# Altium PCB PCB1.PcbDoc (continued)
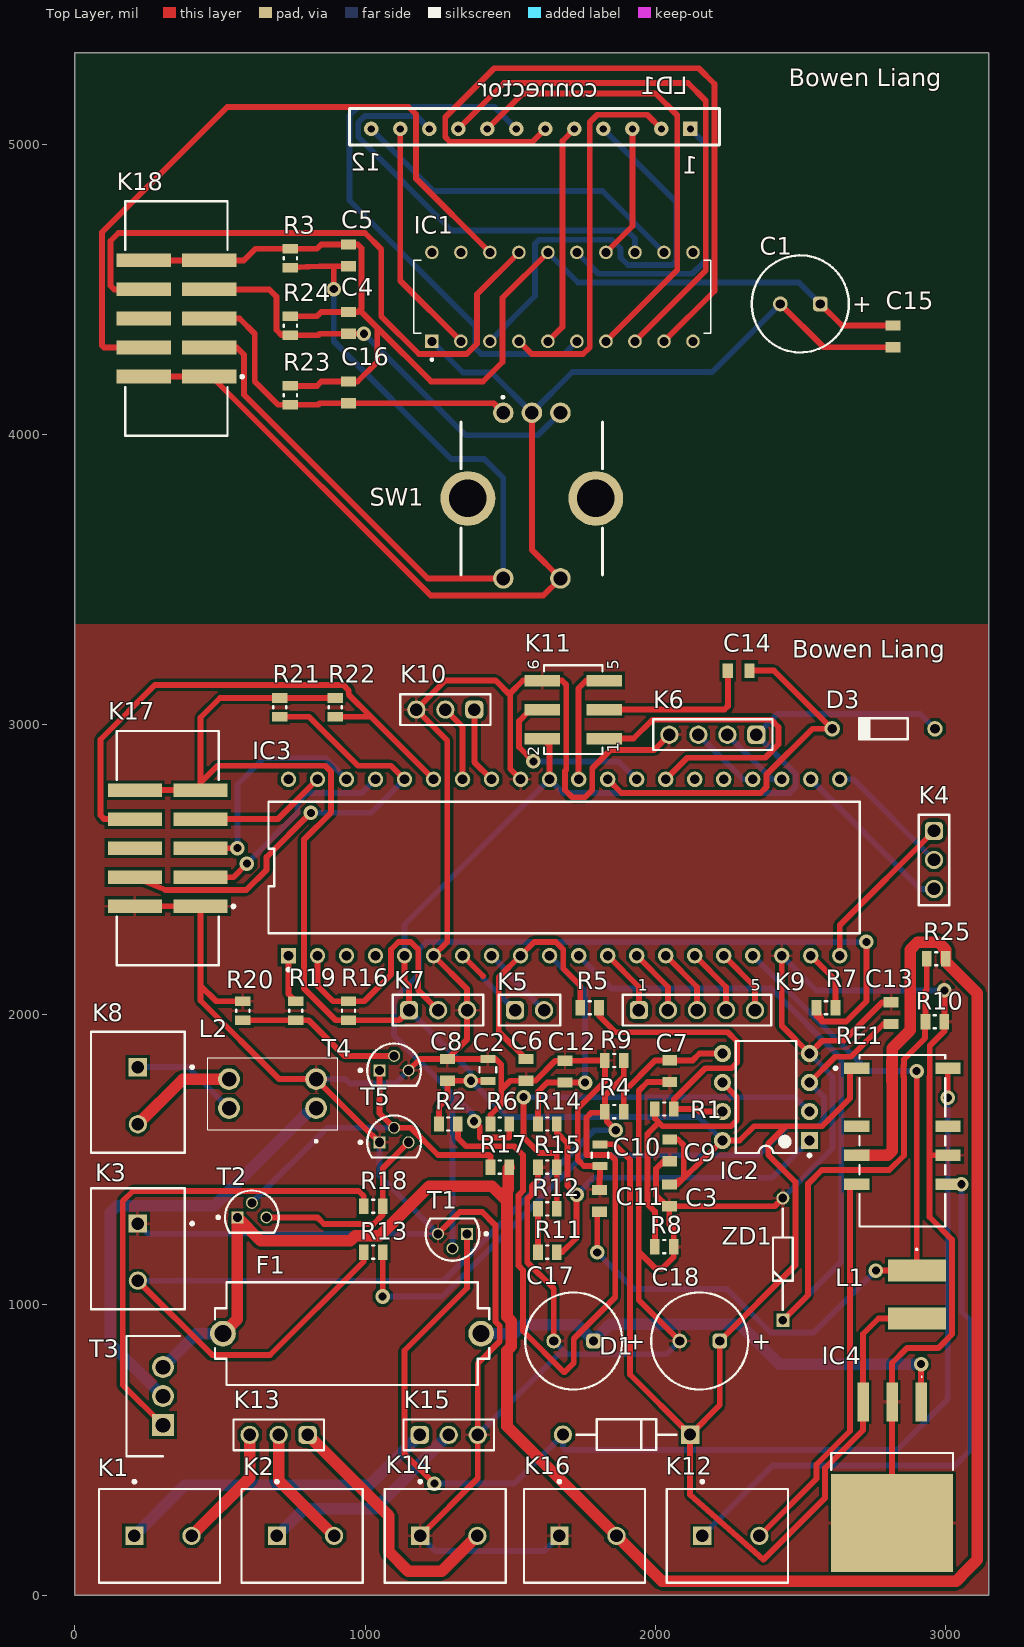
[diagram p0: Top Layer view]
## Part data (continued)
K1 K2 K3 K8 K12 K14 K16: library part Schroefconnector, "Female Header, Pitch 5 mm, 1 x 2 Position, Height 10 mm, Tail Length 3.5 mm, Rohs, Bulk", Color=Green, Current=13.5A, Manufacturer="TE Connectivity", Package Description="Female Header, Pitch 5 mm, 1 x 2 Position, Height 10 mm, Tail Length 3.5 mm", Package Reference=THD, Standard Package=300, Voltage=300V, 3D Model=282836-2.pdf, Category=Connectors,Interconnects, Clamp Material - Plating=Brass-NickelPlated, Contact Material - Plating=Brass-TinPlated, Datasheet URL=http://www.te.com.cn/commerce/DocumentDelivery/DDEController?Action=showdoc&DocId=Catalog+Section%7F1308389_EUROSTYLE_TERMINAL_BLOCKS%7F0607%7Fpdf%7FEnglish%7FENG_CS_1308389_EUROSTYLE_TERMINAL_BLOCKS_0607.pdf%7F282836-2, Dynamic Catalog=BuchananSeries, Family=TerminalBlocks-WiretoBoard, Featured Product=EurostyleTerminalBlockConnectors, Features=Interlocking(Side), Housing Material=Polyamide(PA66),Nylon6/6, Manufacturer URL=http://www.te.com, Mating Orientation=HorizontalwithBoard, Mounting Type=ThroughHole, Number of Levels=1, Other Names="5ULV-02B / A98076", Packaging=Bulk, Pitch="0.197\"(5.00mm)", Positions Per Level=2, Product Training Modules=Wire-to-BoardEurostyleTerminalBlocks, RoHS Information=282836-2StatementofCompliance, Screw Material - Plating=Brass-NickelPlated, Screw Thread=M3, Series=Buchanan, Torque - Screw=0.68Nm(6Lb-In), Wire Gauge=16-30AWG, Wire Termination=Screw-RisingCageClamp
K4 K7 K10 K13 K15: library part [3][1]Pinheader, Color=Black, Contact Resistance=20mΩ, Current Rating=3A, Max Operating Temperature=105°C, Min Operating Temperature=-40°C, Operating Supply Voltage=250V, Connector Type="Male Pin", Contact Material=Copper, Contact Mating Length=5.9944mm, Contact Plating=Gold, Gender=Male, Height=8.94mm, Lead Free="Lead Free", Lead Pitch=2.54mm, Mount="Through Hole", NexarPartId=32855521, Number Of Contacts=3, Number of Pins=3, Number of Positions=3, Number of Rows=1, Orientation=Vertical, Packaging=Bulk, Pitch=2.54mm, REACH SVHC=Unknown, RoHS=Compliant, Termination=Solder, Voltage Rating=250V
K5: library part [2][1]Pinheader, Color=Black, Contact Resistance=20mΩ, Current Rating=3A, Max Operating Temperature=125°C, Min Operating Temperature=-40°C, Operating Supply Voltage=250V, Connector Type="Male Pin", Contact Gender=Male, Contact Material=Copper, Contact Mating Length=5.9944mm, Contact Plating=Gold, Gender=Male, Height=8.94mm, Housing Material=PBT, Lead Free="Lead Free", Lead Pitch=2.54mm, Mount="Through Hole", NexarPartId=20081794, Number Of Contacts=2, Number of Pins=2, Number of Positions=2, Number of Rows=1, Orientation=Vertical, Packaging=Bulk, Pitch=2.54mm, REACH SVHC="No SVHC", RoHS=Compliant, Termination="Through Hole", Voltage Rating=250V
K6: library part [4][1]Pinheader, Color=Black, Contact Resistance=20mΩ, Current Rating=3A, Max Operating Temperature=105°C, Min Operating Temperature=-40°C, Operating Supply Voltage=250V, Connector Type="Male Pin", Contact Material=Copper, Contact Mating Length=5.9944mm, Contact Plating=Gold, Gender=Male, Height=8.89mm, Lead Free="Lead Free", Lead Pitch=2.54mm, Mount="Through Hole", NexarPartId=32855522, Number Of Contacts=4, Number of Pins=4, Number of Positions=4, Number of Rows=1, Orientation=Vertical, Packaging=Bulk, Pitch=2.54mm, REACH SVHC=Unknown, RoHS=Compliant, Termination=Solder, Voltage Rating=250V
K9: library part [5][1]Pinheader, Color=Black, Contact Resistance=20mΩ, Current Rating=3A, Max Operating Temperature=105°C, Min Operating Temperature=-40°C, Operating Supply Voltage=250V, Connector Type="Male Pin", Contact Material=Copper, Contact Mating Length=5.9944mm, Contact Plating=Gold, Gender=Male, Height=8.89mm, Lead Free="Lead Free", Lead Pitch=2.54mm, Mount="Through Hole", NexarPartId=32855526, Number Of Contacts=5, Number of Pins=5, Number of Positions=5, Number of Rows=1, Orientation=Vertical, Packaging=Bulk, Pitch=2.54mm, REACH SVHC=Unknown, RoHS=Compliant, Termination=Solder, Voltage Rating=250V
K11: library part [6][2]Pinheader, Color=Black, Contact Resistance=20mΩ, Current Rating=3A, Operating Supply Voltage=250V, Connector Type="Male Pin", Contact Material=Copper, Contact Mating Length=5.9944mm, Contact Plating=Gold, Gender=Male, Lead Pitch=2.54mm, Mount="Surface Mount", NexarPartId=32855428, Number Of Contacts=6, Number of Pins=6, Number of Positions=6, Number of Rows=2, Orientation=Vertical, Pitch=2.54mm, REACH SVHC=Unknown, RoHS=Compliant, Row Spacing=2.54mm, Termination=Solder
K17 K18: library part [10][2]Pinheader, Color=Black, Contact Resistance=20mΩ, Current Rating=3A, Insulation Resistance=1GΩ, Max Operating Temperature=125°C, Min Operating Temperature=-40°C, Operating Supply Voltage=250V, Connector Type="Male Pin", Contact Material=Copper, Contact Mating Length=5.0038mm, Contact Plating=Gold, Gender=Male, Lead Pitch=2.54mm, Length=18.02mm, Mount="Surface Mount", NexarPartId=32855511, Number Of Contacts=10, Number of Pins=10, Number of Positions=10, Number of Rows=2, Orientation=Vertical, Packaging="Tape and Reel", Pitch=2.54mm, REACH SVHC=Unknown, RoHS=Compliant, Row Spacing=2.54mm, Termination=Solder
L1: library part Smoorspoel, "Inductor VLS6045EX-100M-H", Manufacturer_Name=TDK, Manufacturer_Part_Number=VLS6045EX-100M-H, Mouser2 Part Number=810-VLS6045EX-100M-H, Datasheet Link=https://componentsearchengine.com//VLS6045EX-100M-H.pdf, Mouser2 Price/Stock=https://www.mouser.com/Search/Refine.aspx?Keyword=810-VLS6045EX-100M-H
L2: library part "Smoorspoel commom mode", "Transformer CM2545X171B-10", Manufacturer_Name="Laird Technologies", Manufacturer_Part_Number=CM2545X171B-10, Datasheet Link=https://datasheet.datasheetarchive.com/originals/dk/DKDS-7/122753.pdf, Height=9.5mm
LD1: library part 7segment
R1 R2 R3 R4 R5 R6 R7 R8 R9 R10 R11 R12 R13 R14 R15 R16 R17 R18 R19 R20 R21 R22 R23 R24 R25: library part Resistor, Manufacturer="Vishay Dale", Part Number=CRCW08050000Z0EA
RE1: library part VermogenRelais, "RELAY TELECOM DPDT 2A 5VDC", Ambient Temperature Range High=+85°C, Ambient Temperature Range Low=-40°C, Coil Current=28.1mA, Coil Power=140mW, Coil Resistance=178Ω, Coil Voltage=5V, Current Rating=2A, Manufacturer=Omron, Temperature="-40°C to +85°C", Automotive=No, Category=Relay, Coil Type=Non-Latching, ComponentLink2Description=Datasheet, ComponentLink2URL=https://omronfs.omron.com/en_US/ecb/products/pdf/en-g6s.pdf, Device Class L1=Electromechanical, Device Class L2=Relays, Device Class L3="Signal Relays", Digikey Description="RELAY TELECOM DPDT 2A 5VDC", Height=9.4mm, Lead Free=Yes, Manufacturer Part Number=G6S-2F-DC5, Mouser Description="Electromechanical Relay 5VDC 178Ohm 2A DPDT (14.8x9.2x9.2)mm SMD Signal Relay", Number Of Contacts=2, Octopart=https://octopart.com/g6s-2f-dc5-omron-85236, Package=G6S-2F-DC5, RoHS=TRUE, Standoff Height=0.35mm, Switching Current=2A, Temperature Range High=+85°C, Temperature Range Low=-40°C, Throw Configuration=DPDT
SW1: library part Encoder, "Undefined or Miscellaneous", Manufacturer_Name=Bourns, Manufacturer_Part_Number=PEC11R-4225F-S0024, Mouser2 Part Number=652-PEC11R-4225F-S24, Datasheet Link=https://componentsearchengine.com//PEC11R-4225F-S0024.pdf, Mouser2 Price/Stock=https://www.mouser.com/Search/Refine.aspx?Keyword=652-PEC11R-4225F-S24
T1 T2 T4: "Amplifier Transistor, NPN Silicon, 3-Pin TO-92, Bulk Box", Manufacturer="On Semiconductor", ComponentLink1Description="Manufacturer URL", ComponentLink1URL=http://www.onsemi.com/, ComponentLink2Description=Datasheet, ComponentLink2URL=http://www.onsemi.com/pub_link/Collateral/BC546-D.PDF, ComponentLink3Description="Package Specification", ComponentLink3URL=http://www.onsemi.cn/pub_link/Collateral/2N6426-D.PDF, DatasheetVersion="Rev. 7", fT Min (MHz)=150, IC Continuous (A)=0.1, Mounting Technology="Through Hole", PackageDescription="3-Pin Transistor Outline, Body 4.825 x 3.685 mm, Pitch 1.27 mm", PackageReference=TO-92-3-29-11_AM_SL, PackageVersion="Rev. AM", Packing="Bulk Box", PartNumber=BC547C, Polarity=NPN, RoHS=FALSE
T3: library part MOSFET, "MOSFET (P-Channel)", Manufacturer_Name=Infineon, Mouser2 Part Number=942-IRF9Z34NPBF, Datasheet Link=https://componentsearchengine.com//IRF9Z34NPBF.pdf, Height=4.69mm, Manufacturer_Part_Number=IRF9Z34NPBF, Mouser2 Price/Stock=https://www.mouser.com/Search/Refine.aspx?Keyword=942-IRF9Z34NPBF
T5: "Amplifier Transistor, PNP Silicon, 3-Pin TO-92, Bulk Box", Manufacturer="On Semiconductor", ComponentLink1Description="Manufacturer URL", ComponentLink1URL=http://www.onsemi.com/, ComponentLink2Description=Datasheet, ComponentLink2URL=http://www.onsemi.com/pub_link/Collateral/BC556B-D.PDF, ComponentLink3Description="Package Specification", ComponentLink3URL=http://www.onsemi.cn/pub_link/Collateral/2N6426-D.PDF, DatasheetVersion="Rev. 3", IC Continuous (A)=-0.1, Mounting Technology="Through Hole", PackageDescription="3-Pin Transistor Outline, Body 4.825 x 3.685 mm, Pitch 1.27 mm", PackageReference=TO-92-3-29-11_AM_SL, PackageVersion="Rev. AM", Packing="Bulk Box", PartNumber=BC557C, Polarity=PNP, RoHS=FALSE
ZD1: library part Zenerdiode, "Zener Voltage Regulator, 500 mW, 2-Pin SOD-123, Pb-Free, Tape and Reel", Manufacturer="On Semiconductor", PartNumber=MMSZ4689T1G, ComponentLink1Description="Manufacturer URL", ComponentLink1URL=http://www.onsemi.com/, ComponentLink2Description=Datasheet, ComponentLink2URL=http://www.onsemi.com/pub_link/Collateral/MMSZ4678T1-D.PDF, ComponentLink3Description="Package Specification", ComponentLink3URL=http://www.onsemi.com/pub_link/Collateral/425-04.PDF, DatasheetVersion="Rev. 9", Mounting Technology="Surface Mount", P Max (W)=0.5, PackageDescription="2-Pin SOD, Body 1.6 x 2.69 mm", PackageReference=SOD-123-2-425-04, PackageVersion="Rev. G, 10/2009", Packing="Tape and Reel", RoHS=Pb-Free, VZ Typ (V)=5.1

## Via types
v1: diameter 50, hole 28, Top Layer to Bottom Layer, 22 vias

## Nets (pads, with @x,y where several pads share a name; then routed paths per layer and width w, separated by ;. In a path a pad name is that pad's centre, name@x,y a point inside that pad or via, vN(x,y) a via of type N, cw(c..) or ccw(c..) an arc to the next point about the centre after c; other vN are vias at no path point)
+5: C2.1 C3.1 C8.1 C9.1 C10.2 C18.1 D1.1 D3.1 IC2.8 IC3.5 IC3.31 IC4.3 K6.1 K7.1 K11.2 K17.9 K17.10 L1.2 R2.2 R16.1 R21.2 R22.2 RE1.1 | length 12384.3
  Top Layer w20: K17.10 K17.9@433,2774.19 ; K17.9 K17.9@433,2774.19 ; R22.2 801,3091.91 R21.2 500,3091.92 433,3024.92 433,2800 ; IC3.5 1135.92,2116.81 1151.73,2101 K7.1 1117.34,1981.37 R16.1 898.63,1981.37 789,2091 789,2603 883,2697 883,2837.5 862.5,2858 491,2858 433,2800 ; R2.2 1254.77,1683 1283.59,1711.82 C8.1 v1(1364.43,1772.57) C2.1 ; K11.2 1635.92,2927.12 IC3.31 ; C10.2 1859.46,1553.57 1913.03,1500 1913.03,760.06 D1.1 ; C9.1 2078.22,1569.78 2098,1550 2098,1437.5 ; RE1.1 2671,1815.88 2671,1712 2575,1616 2450,1616 ; L1.2 2769.2,952.97 2716.22,900 IC4.3 2716.22,568.2 2585.59,437.57 2585.59,335 2372.59,122 2120.34,345.66 D1.1 ; K17.9@433,2774.19 433,2800 ; 2098,1437.5 C3.1 2075.48,1414.98 2098,1437.5 ; 2098,1437.5 IC2.8 2290.71,1566.47 2340.24,1616 2450,1616 ; D1.1 2222.24,654.66 C18.1 2483,1136.53 2483,1423.71 2389.77,1516.93 2389.77,1555.77 2450,1616
  Bottom Layer w20: IC3.5 1135.92,2311.39 IC3.31 1683.31,2764 2462.5,2764 2483,2784.5 2483,2830.75 K6.1 2420.49,3037 2912.57,3037 D3.1 ; K7.1 1364.43,1803.05 v1(1364.43,1772.57) 1489,1648 2150.12,1648 IC2.8
GND: C2.2 C3.2 C6.1 C7.1 C8.2 C9.2 C10.1 C11.2 C12.1 C13.1 C17.2 C18.2 IC2.4 IC3.6 IC3.18 IC3.32 IC4.2 IC4.4 K3.1 K6.4 K7.3 K10.3 K11.6 K14.1 K15.3 K16.1 K17.1 K17.2 L2.2 R6.2 R8.1 R9.2 R10.2 R15.2 R20.1 RE1.9 T1.3 T4.3 T5.1 ZD1.2 | length 17516.6
  Top Layer w20: K17.2 K17.1@433,2374.19 ; K17.1 K17.1@433,2374.19 ; R20.1 486.67,2046.33 433,2100 ; T5.1 1025,1584.21 L2.2 703.88,1778.12 433,2049 433,2100 ; T4.3 1188.98,1847.38 C8.2 ; K14.1 1388.39,402.41 1388.39,798.49 1464.29,874.4 1464.29,927.66 1449,942.95 1449,1275 1404,1320 1326.23,1320 T1.3 ; R6.2 1431.92,1654.92 1469,1692 1469,1741.57 ; IC3.32 1500.26,2847.05 1500.26,3101.5 ; R15.2 1595.93,1430.57 1574.29,1408.93 1574.29,1380.84 1559.2,1365.75 1559.2,1147.11 1650,1056.3 C17.2 ; C11.2 1808.36,1437 1809.34,1437.98 C10.1 1754.24,1478.76 1733,1500 1733,1677 1826.42,1770.42 R9.2 1758.18,1842.45 1757,1841.27 C12.1 1655.7,1841.27 1587,1772.57 C6.1 1500,1772.57 1469,1741.57 ; K6.4 1995.49,2912 1845,2912 1783,2850 1783,2775 1758,2750 1714,2750 1689,2775 1689,2840.72 1693,2844.72 1693,3137.5 1678.74,3151.76 K11.6 1544.26,3151.76 1500.26,3107.76 1500.26,3101.5 ; C9.2 2029,1494.98 2003.03,1469 2003.03,1378.15 2041,1340.18 C3.2 ; C7.1 1973,1768.04 1943.03,1738.07 1943.03,1182.97 ; C18.2 1943.03,1017.19 1943.03,1182.97 ; IC3.18 2435.92,1962.2 IC2.4 2575.66,1910.48 2650,1910.48 2782.45,2042.93 C13.1 ; ZD1.2 2411.67,1340.18 C3.2 ; IC4.4 IC4.2 2816.22,800 2867.22,851 2975,851 3023,899 3023,1225 2945,1303 2945,1515.88 ; v1(2996.5,2084) R10.2 2996.5,1943.5 2945.98,1892.98 2945.98,1787.36 2945,1786.38 2945,1515.88 ; RE1.9 2945,1515.88 ; 433,2100 K17.1@433,2374.19 ; C8.2 C2.2 1450,1847.38 1469,1828.38 1469,1741.57 ; C8.2 1351.73,1915.51 K7.3 1351.73,2088.09 IC3.6 1283,2250.97 1283,2945.42 K10.3 1276.67,3151.76 1450,3151.76 1500.26,3101.5 ; 1943.03,1182.97 2000,1126 2025,1126 2063.78,1164.78 R8.1 2063.78,1263 2048.62,1278.16 C3.2
  Bottom Layer w20: K3.1 252.24,1244.96 T1.3 1050,1446.14 T5.1 ; L2.2 932.88,1778.12 948,1763 1104.6,1763 T4.3 ; K14.1 1241.95,152 1617.7,152 K16.1 ; K15.3 1666.42,830 1695.77,830 ; C17.2 1695.77,830 ; C18.2 2038.68,830 1695.77,830 ; IC3.18 2555.81,2084 v1(2996.5,2084) ; ZD1.2 2611.18,1539.69 2611.18,1786.94 IC2.4
NetC1_1: C1.1 C4.2 C5.2 C15.2 C16.2 IC1.16 K18.9 K18.10 R3.2 R23.2 R24.2 | length 4053.3
  Top Layer w20: K18.10 K18.9 582,4600 621.93,4639.93 R3.2 834,4639.93 848.77,4654.7 C5.2 975,4654.7 988,4641.7 988,4434.9 981.5,4428.4 ; R23.2 834,4167.45 848.76,4182.22 C16.2 974.22,4182.22 1042,4250 1042,4367.9 ; R24.2 834,4407.13 848.77,4421.9 C4.2 975,4421.9 981.5,4428.4 ; IC1.16 1474,4471.14 1474,4250 1406.22,4182.22 1227.68,4182.22 1042,4367.9 ; C1.1 2643.7,4375.2 C15.2 ; 981.5,4428.4 1042,4367.9
  Bottom Layer w20: IC1.16 1733.62,4523.91 2494.99,4523.91 C1.1
NetC1_2: C1.2 C15.1 IC1.1 K18.1 K18.2 SW1.3 SW1.5 | length 4294
  Top Layer w20: K18.2 K18.1 471,4200 1226,3445 1614.29,3445 SW1.5 1574.8,3602.36 SW1.3 ; C1.2 2580.71,4300.39 C15.1
  Bottom Layer w20: IC1.1 1337.23,4214 1435.61,4214 SW1.3 1715.2,4215.2 2196.3,4215.2 C1.2
NetC4_1: C4.1 K18.7 R24.1 SW1.2 | length 1522.2
  Top Layer w20: K18.7 670,4500 695,4475 695,4359.67 712.5,4342.17 R24.1 839,4342.17 843.92,4347.1 C4.1 v1(996,4347.1)
  Bottom Layer w20: v1(996,4347.1) 1346.1,3997 1595.42,3997 SW1.2
NetC5_1: C5.1 K18.3 R3.1 SW1.4 | length 3008.3
  Top Layer w20: K18.3 558,4300 583,4275 583,4137 1216.06,3503.94 SW1.4 ; R3.1 843.92,4579.89 892,4579.89 ; v1(892,4501) 892,4579.89 ; C5.1 892,4579.89
  Bottom Layer w20: v1(892,4501) 892,4321 1297.38,3915.62 1410.75,3915.62 1476.38,3850 SW1.4
NetC6_2: C6.2 IC3.9 R5.1 | length 828.7
  Top Layer w20: C6.2 1461,1941.49 1461,2128.97 IC3.9 1583.03,2251 1657,2251 1683,2225 1683,2159.32 1741.32,2101 R5.1
NetC7_2: C7.2 IC2.5 R4.1 | length 462.8
  Top Layer w20: R4.1 1891.38,1734.23 2000,1842.85 C7.2 2129,1842.85 2152.62,1866.47 IC2.5
NetC11_1: C11.1 IC3.17 L1.1 | length 2871.3
  Top Layer w20: v1(1800,1181) 1800,1321.43 C11.1 ; v1(2760.33,1118.33) L1.1@2901,1118.33 ; v1(2900.98,1806) L1.1@2901,1118.33 ; L1.1 L1.1@2901,1118.33
  Bottom Layer w20: v1(1800,1181) 1926,1055 2246.54,1055 2397,904.54 2546.54,904.54 v1(2760.33,1118.33) ; IC3.17 2733.81,1806 v1(2900.98,1806)
NetC12_2: C12.2 IC3.10 R14.1 | length 774.3
  Top Layer w20: R14.1 1595.93,1734.4 1628,1766.47 C12.2 v1(1758,1766.47)
  Bottom Layer w20: IC3.10 1758,2081.81 v1(1758,1766.47)
NetC13_2: C13.2 IC2.3 R13.1 | length 2441.3
  Top Layer w20: v1(1060.63,1029) R13.1 ; IC2.3 2620.75,1855.57 2674.57,1855.57 2787.12,1968.12 C13.2
  Bottom Layer w20: v1(1060.63,1029) 1266,1029 1753,1516 2355,1516 2455,1616 2562.5,1616 2581.18,1634.68 2581.18,1716.94 IC2.3
NetC14_1: C14.1 K11.3 | length 553.7
  Top Layer w20: K11.3 2239.11,3051.76 2250.35,3063 C14.1
NetC14_2: C14.2 D3.2 IC3.29 | length 1277.9
  Top Layer w20: IC3.29 1883.31,2764 2362.5,2764 2383,2784.5 2383,2827 2541.6,2985.6 D3.2 2409.23,3186 2325.16,3186 C14.2
NetC16_1: C16.1 K18.5 R23.1 SW1.1 | length 1248.3
  Top Layer w20: K18.5 567,4400 620,4347 620,4182.49 700,4102.49 R23.1 839,4102.49 843.92,4107.41 C16.1 1443.77,4107.41 SW1.1
NetC17_1: C17.1 F1.2 IC4.1 | length 1762.7
  Top Layer w20: IC4.1 v1(2916.22,796)
  Bottom Layer w40: F1.2 1512,901.03 1542.33,931.36 1732.21,931.36 C17.1 1845.1,933.07 2291.34,933.07 2428.41,796 v1(2916.22,796)
NetD1_2: D1.2 RE1.12 T1.1 | length 4093.1
  Top Layer w20: v1(1239,384) 1136,487 1136,843 1351.18,1058.18 T1.1 ; v1(3008,1714) 3008,1815.88 RE1.12
  Bottom Layer w20: v1(1239,384) 1513,384 D1.2 1681.75,510.25 1692,500 2833,500 3008,675 v1(3008,1714)
NetF1_1: F1.1 K16.2 R17.2 R25.1 RE1.4 T2.1 T3.3 | length 7661.3
  Top Layer w20: R25.1@3000.98,2183 R25.1
  Top Layer w40: F1.1 559.74,950.53 T2.1 641.02,1220.47 948.44,1220.47 966.51,1238.54 1050.54,1238.54 1221.45,1409.45 1437.43,1409.45 1489,1357.88 ; R17.2 1493.61,1471.56 1493.61,1399.16 1489,1394.55 1489,1357.88 ; RE1.4 2801,1515.88 2817,1531.88 2817,1769.78 2815.98,1770.79 2815.98,1841.21 2817,1842.22 2817,1885 2879,1947 2879,2224.6 2903.89,2249.49 2976.1,2249.49 3000.98,2224.6 R25.1 ; R25.1@3000.98,2183 3110.24,2073.75 3110.24,121.24 3056.85,67.85 3056.85,66.56 3037.54,47.24 2023.28,47.24 K16.2 1489,581.52 1489,842.54 1504.29,857.83 1504.29,944.22 1489,959.52 1489,1357.88
  Bottom Layer w40: T3.3 418.74,901.03 F1.1
NetIC1_2: IC1.2 LD1.11 | length 818.6
  Top Layer w20: LD1.11 1121.26,4529.97 IC1.2
NetIC1_3: IC1.3 LD1.4 | length 1512.5
  Bottom Layer w20: IC1.3 1586,4476.84 1586,4657 1600,4671 1850,4671 1880,4641 1880,4610 1906.09,4583.91 2057.53,4583.91 2073.62,4600 2073.62,4800.75 LD1.4
NetIC1_4: IC1.4 LD1.2 | length 1325.9
  Top Layer w20: IC1.4 1574.23,4277 1751,4277 1774,4300 1774,5076 1800,5102 1972.37,5102 LD1.2
NetIC1_5: IC1.5 LD1.5 | length 769.8
  Top Layer w20: IC1.5 1680,4370.84 1680,5011.85 LD1.5
NetIC1_6: IC1.6 LD1.7 | length 1977.1
  Bottom Layer w20: LD1.7 1446.26,5128.11 974.37,5128.11 946.26,5100 946.26,4806.74 1381,4372 1381,4296 1400,4277 1686.16,4277 IC1.6
NetIC1_7: IC1.7 LD1.8 | length 1617.1
  Top Layer w20: LD1.8 1543.15,5175 2001,5175 2076,5100 2076,4566.84 IC1.7
NetIC1_8: IC1.8 LD1.9 | length 1873.4
  Top Layer w20: LD1.9 1479.15,5211 2113,5211 2174,5150 2174,4564.84 IC1.8
NetIC1_9: IC1.9 LD1.6 | length 2418.3
  Top Layer w20: LD1.6 1576.15,5008 1293,5008 1276,5025 1276,5093 1445,5262 2150,5262 2204,5208 2204,4494.84 IC1.9
NetIC1_12: IC1.12 LD1.12 | length 1185.3
  Bottom Layer w20: LD1.12 1235.37,4839 1818.53,4839 IC1.12
NetIC1_13: IC1.13 LD1.10 | length 1469.8
  Bottom Layer w20: LD1.10 1176.26,5098.11 999.37,5098.11 976.26,5075 976.26,5025 1298.26,4703 1902.2,4703 1930.2,4675 IC1.13
NetIC1_14: IC1.14 LD1.3 | length 463.5
  Top Layer w20: IC1.14 1921.26,4718.4 LD1.3
NetIC1_15: IC1.15 LD1.1 | length 968.3
  Bottom Layer w20: IC1.15 1803.62,4553.91 2127.91,4553.91 2174,4600 2174,5000.37 LD1.1
NetIC1_17: IC1.17 K18.8 | length 2244.7
  Top Layer w20: K18.8 135.5,4500 123,4512.5 123,4667 150,4694 1000,4694 1056,4638 1056,4407 1186,4277 1350,4277 1386,4313 1386,4483.14 IC1.17
NetIC1_18: IC1.18 K18.4 | length 2390.4
  Top Layer w20: K18.4 99.88,4300 93,4306.88 93,4697 525,5129 1150,5129 1176,5103 1176,4881.53 IC1.18
NetIC2_1: IC2.1 R11.1 R14.2 | length 1389
  Top Layer w20: R11.1 1679.96,1181.96 1729,1231 v1(1729,1379.77) 1698,1410.77 1698,1556.52 1660.89,1593.63 R14.2
  Bottom Layer w20: v1(1729,1379.77) 1787.23,1438 2403.18,1438 IC2.1
NetIC2_2: IC2.2 R12.2 R15.1 | length 1474.5
  Top Layer w20: v1(1546,1716) 1546,1578 1600,1524 1660.89,1524 R15.1 R12.2
  Bottom Layer w20: v1(1546,1716) 2482.12,1716 IC2.2
NetIC2_6: IC2.6 R1.2 R8.2 | length 940.7
  Top Layer w20: R8.2 1998.82,1321.47 1973.03,1347.26 1973.03,1590.21 2011.91,1629.09 ; R1.2 1998.82,1642.18 2011.91,1629.09 ; IC2.6 2281.18,1716.94 2281.18,1635.62 2261.56,1616 2025,1616 2011.91,1629.09
NetIC2_7: IC2.7 R1.1 R5.2 | length 1087.1
  Top Layer w20: R5.2 1806.28,1997 1863.28,1940 2250,1940 2282,1908 2282,1835.5 2262.5,1816 2172.78,1816 2063.78,1707 R1.1 2143,1675.32 2151.86,1666.47 IC2.7
NetIC3_1: IC3.1 R19.1 | length 167.9
  Top Layer w20: IC3.1 735.92,2071.38 R19.1
NetIC3_2: IC3.2 K7.2 R16.2 | length 857.2
  Top Layer w20: IC3.2 835.92,2100 889.59,2046.33 R16.2 997,2046.33 1089,2138.33 1089,2225 1115,2251 1157,2251 1183,2225 1183,2084.47 K7.2
NetIC3_7: IC3.7 K5.1 | length 263.1
  Top Layer w20: IC3.7 1406,2133.81
  Bottom Layer w20: 1406,2133.81 1406,2126.68 K5.1
NetIC3_8: IC3.8 K5.2 | length 263.1
  Bottom Layer w20: IC3.8 1481,2158.81 1481,2151.68 K5.2
NetIC3_11: IC3.11 R10.1 R25.2 ZD1.1 | length 3625.7
  Top Layer w20: ZD1.1 2527,1034.25 2527,1418 2574,1465 2806.69,1465 2857,1515.31 2857,1786.35 2855.98,1787.36 2855.98,1824.64 2857,1825.65 2857,1846.43 2930,1919.42 2930,1974.46 R10.1 2931.54,2082 2936.02,2086.49 R25.2
  Bottom Layer w20: IC3.11 1848.81,2091 2399,2091 2641.18,1848.82 2641.18,1148.43 ZD1.1
NetIC3_12: IC3.12 K9.1 | length 232.5
  Top Layer w20: IC3.12 1943.87,2095.94 K9.1
NetIC3_13: IC3.13 K9.2 | length 232.5
  Top Layer w20: IC3.13 2043.87,2095.94 K9.2
NetIC3_14: IC3.14 K9.3 | length 232.5
  Top Layer w20: IC3.14 2143.87,2095.94 K9.3
NetIC3_15: IC3.15 K9.4 | length 232.5
  Top Layer w20: IC3.15 2243.87,2095.94 K9.4
NetIC3_16: IC3.16 K9.5 | length 232.5
  Top Layer w20: IC3.16 2343.87,2095.94 K9.5
NetIC3_19: IC3.19 R7.1 | length 214.8
  Top Layer w20: IC3.19 2620.99,2118.82 R7.1
NetIC3_20: IC3.20 K4.1 | length 564.3
  Top Layer w20: IC3.20 2635.92,2308.73 K4.1
NetIC3_21: IC3.21 K4.2 | length 440
  Bottom Layer w20: IC3.21 2683.07,2811.39 K4.2
NetIC3_22: IC3.22 K4.3 | length 581.4
  Bottom Layer w20: IC3.22 2913.67,2433.64 K4.3
NetIC3_23: IC3.23 K6.2 | length 251
  Bottom Layer w20: K6.2 2402.35,2811.39 IC3.23
NetIC3_24: IC3.24 K6.3 | length 251
  Bottom Layer w20: K6.3 2302.35,2811.39 IC3.24
NetIC3_27: IC3.27 K11.1 | length 1137.5
  Top Layer w20: K11.1 1925,2951.76 1990.24,3017 2400,3017 2425,2992 2425,2932 2379,2886 2110.53,2886 IC3.27
NetIC3_28: IC3.28 K11.4 | length 638.5
  Top Layer w20: v1(1580,2873) 1530.26,2922.74 1530.26,3012.02 1570,3051.76 K11.4
  Bottom Layer w20: v1(1580,2873) 1874.31,2873 IC3.28
NetIC3_30: IC3.30 K11.5 | length 412.7
  Top Layer w20: IC3.30 1735.92,3125 1762.68,3151.76 K11.5
NetIC3_33: IC3.33 K10.1 | length 264.9
  Top Layer w20: K10.1 1376.67,2870.65 IC3.33
NetIC3_34: IC3.34 K10.2 | length 264.9
  Top Layer w20: K10.2 1335.92,2992.5 IC3.34
NetIC3_35: IC3.35 K17.8 R22.1 | length 1877.9
  Top Layer w20: K17.8 101.31,2674.19 88,2687.5 88,2949 276,3137 925,3137 944,3118 944,3103.31 1020.36,3026.95 ; R22.1 1020.36,3026.95 ; IC3.35 1020.36,3026.95
NetIC3_36: IC3.36 K17.4 R21.1 | length 1641.2
  Top Layer w20: K17.4 312.5,2430 590.67,2430 660.67,2500 660.67,2543.67 v1(813,2696) ; R21.1 807,3026.95 975.95,2858 1089.31,2858 IC3.36
  Bottom Layer w20: v1(813,2696) 1020.53,2696 IC3.36
NetIC3_37: IC3.37 K17.3 | length 763.6
  Top Layer w20: K17.3 546.19,2474.19 v1(593,2521)
  Bottom Layer w20: v1(593,2521) 768,2696 768,2732 800,2764 988.53,2764 IC3.37
NetIC3_38: IC3.38 K17.5 | length 790
  Top Layer w20: K17.5 v1(560,2574.19)
  Bottom Layer w20: v1(560,2574.19) 560,2794 650,2884 863.31,2884 IC3.38
NetIC3_39: IC3.39 K17.7 | length 459.7
  Top Layer w20: K17.7 698.72,2674.19 IC3.39
NetK1_1: K1.1 K15.1 | length 1127.5
  Bottom Layer w40: K1.1 379.06,378 1014.42,378 K15.1
NetK1_2: K1.2 K13.3 | length 431
  Top Layer w40: K1.2 602.21,404.31 K13.3
NetK2_1: K2.1 K15.2 | length 736.3
  Bottom Layer w40: K2.1 790.22,298 1034.42,298 K15.2
NetK2_2: K2.2 K13.2 | length 427
  Top Layer w40: K13.2 702.21,394.83 K2.2
NetK3_2: K3.2 R2.1 R4.2 R9.1 R13.2 | length 5424.3
  Top Layer w20: K3.2 473.35,827 672.67,827 995.67,1150 R13.2 ; R2.1 1319.73,1575 1347.89,1546.84 1514.16,1546.84 1544.29,1516.71 1544.29,1393.27 1529.2,1378.18 1529.2,1134.68 1544.29,1119.58 1544.29,909.71 1685,769 1688,769 1719,800 1719,883 1862,1026 1862,1500 1845,1517 1763,1517 1763,1645.76 1779.69,1662.45 1822.4,1662.45 R4.2 ; v1(1864,1602) 1833.15,1632.85 1833.15,1659.73 R4.2 ; R9.1 1891.38,1785.96 1826.42,1721 R4.2
  Bottom Layer w20: K3.2 1271.54,1083.54 1790,1602 v1(1864,1602)
NetK8_1: K8.1 L2.4 | length 372.9
  Bottom Layer w20: K8.1 389.64,1819.56 L2.4
NetK8_2: K8.2 L2.3 | length 378.7
  Top Layer w40: K8.2 372.21,1778.12 L2.3
NetK12_1: K12.1 RE1.8 | length 2022.5
  Top Layer w20: RE1.8 v1(3055.24,1415.88)
  Bottom Layer w20: K12.1 2405.13,447 3034,447 3087,500 3087,945.87 3055.24,977.64 v1(3055.24,1415.88)
NetK12_2: K12.2 RE1.5 | length 1364.5
  Top Layer w20: K12.2 2555.59,400.61 2555.59,450 2671,565.41 2671,1415.88 RE1.5
NetK13_1: K13.1 K14.2 | length 901.9
  Top Layer w40: K13.1 1081,273.18 1081,150 1149,82 1264.83,82 K14.2
NetL2_1: L2.1 T3.2 | length 1565.9
  Bottom Layer w40: T3.2 122.05,867.17 122.05,1318.46 145.48,1341.89 479.68,1341.89 798.41,1660.62 804.12,1660.62 821.62,1678.12 L2.1
NetR6_1: R6.1 R7.2 T1.2 | length 3531.3
  Top Layer w20: v1(1376,1633) 1395,1614 1395,1576.84 1496.88,1576.84 R6.1 ; v1(2728,2251) 2728,2047 2658,1977 2575,1977 ; 2575,1977 2556.03,1995.97 R7.2 2575,1977
  Bottom Layer w20: T1.2 1301.18,1726.82 ; v1(1376,1633) 1376,1652 1301.18,1726.82 ; v1(2728,2251) 1212,2251 1186,2225 1186,2140.5 1100,2054.5 1100,1928 1301.18,1726.82
NetR11_2: R11.2 R12.1 | length 148.9
  Top Layer w20: R11.2 R12.1
NetR17_1: R17.1 T2.2 T4.1 T5.2 | length 1226.2
  Top Layer w20: T4.1 1050,1660.43 T5.2 1157.57,1610.43 1251.16,1516.84 1427.57,1516.84 1431.92,1512.5 R17.1
  Bottom Layer w20: T2.2 868.41,1610.43 T5.2
NetR18_1: R18.1 T2.3 T5.3 | length 710.8
  Top Layer w20: T2.3 835.55,1301.75 858.77,1278.54 1028.81,1278.54 1060.63,1310.36 R18.1 1060.63,1471.06 T5.3
NetR18_2: R18.2 T3.1 | length 1717
  Top Layer w20: T3.1 165,724.22 165,1358 200,1393 977.67,1393 995.67,1375 R18.2
NetR19_2: R19.2 R20.2 T4.2 | length 572.2
  Top Layer w20: R20.2 669,1981.37 R19.2 805.63,1981.37 928.6,1858.4 T4.2
pads on no net: IC1.10 IC1.11 IC1.19 IC1.20 IC3.3 IC3.4 IC3.25 IC3.26 IC3.40 K17.6 K18.6 RE1.3 RE1.10 SW1.6 SW1.7

## Polygon pours and split planes (outlines as drawn)
no net on Bottom Layer "GND_L02_P001" (solid, pour order 1): 0,3346.46 0,0 3149.61,0 3149.61,3346.46
GND on Top Layer "GND_L02_P002" (solid, pour order 3): 0,3346.46 0,0 3149.61,0 3149.61,3346.46

## Silkscreen, mask and mechanical layers (free items; w line width, h text height)
Top Overlay:
  text "Bowen Liang" at 2460.69,5199.28 h60
  text "Bowen Liang" at 2472.5,3230.78 h60

## Text inside footprints (layer, text, board x,y; h text height)
C1: Top Overlay "+" at 2679.13,4420.47 h59.06
C17: Top Overlay "+" at 1898.03,846.24 h59.06
C18: Top Overlay "+" at 2332.48,846.24 h59.06
K9: Top Overlay "5" at 2328.91,2083.02 h40; Top Overlay "1" at 1939.14,2083.02 h40
K11: Top Overlay "6" at 1599.47,3188.37 h40 r90; Top Overlay "5" at 1875.06,3188.37 h40 r90; Top Overlay "2" at 1599.47,2891.52 h40 r90; Top Overlay "1" at 1875.06,2903.33 h40 r90
LD1: Top Overlay "1" at 2146.26,4898.11 h60; Top Overlay "12" at 1056.26,4908.11 h60; Top Overlay "connector" at 1801.26,5163.11 h60